# Allegro board nu_2000_main_210405_gerber_el.brd (continued)
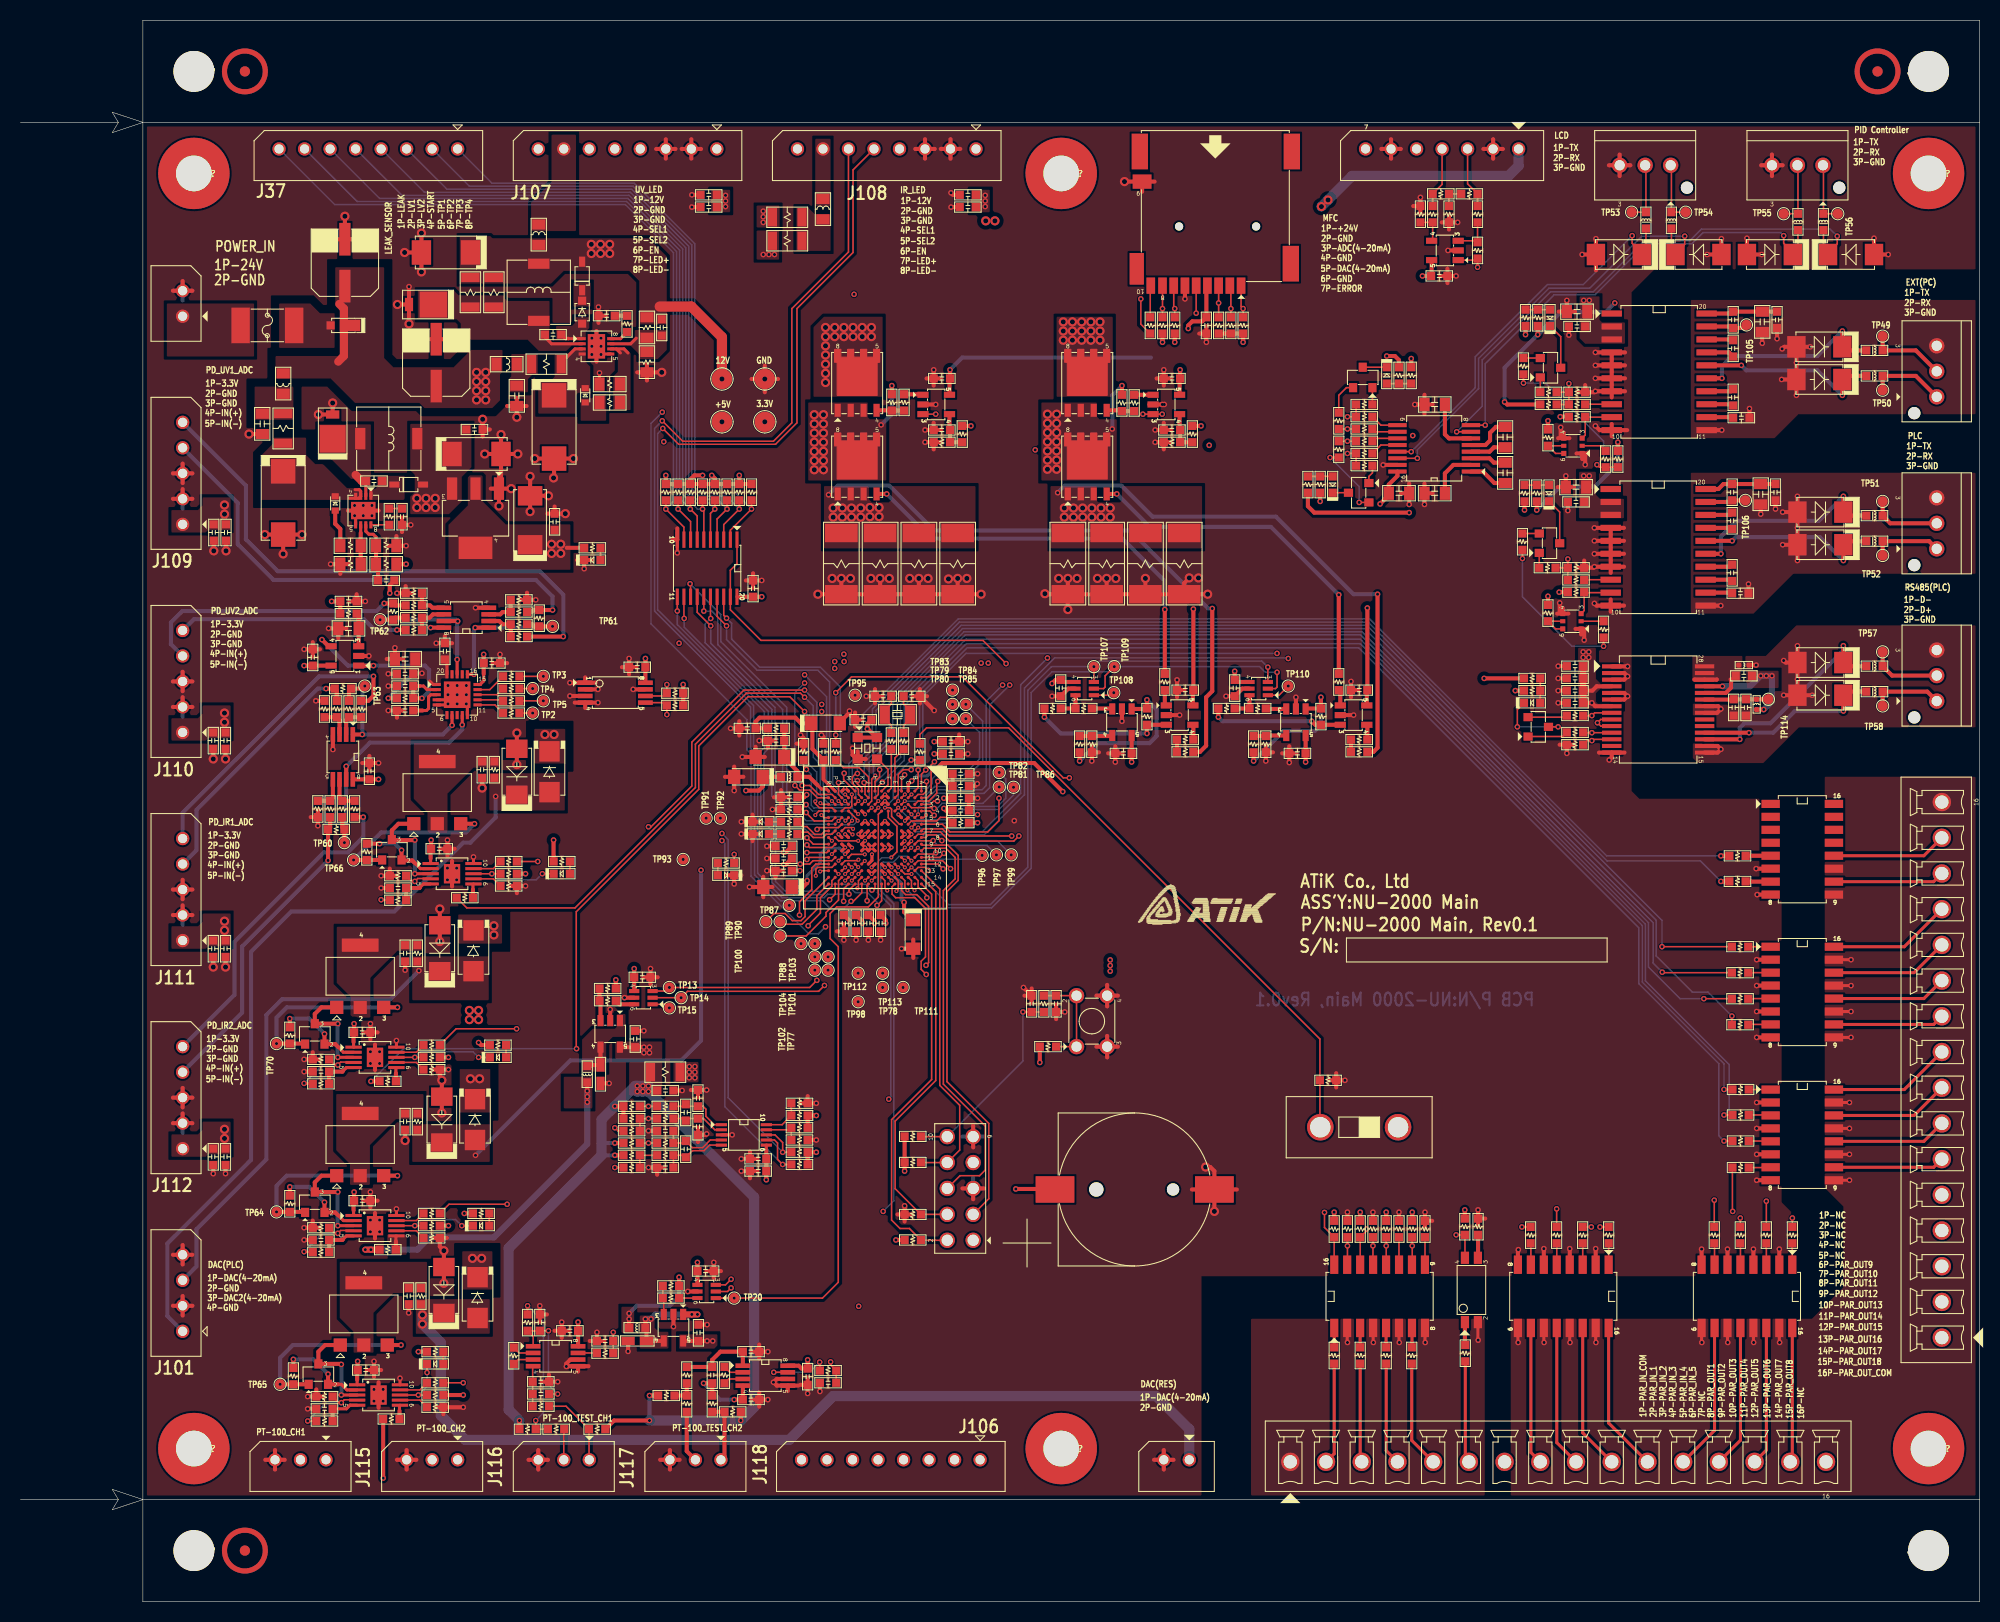
[diagram p0: board, top side]
## Routing (per net, layer and track width the routed paths; a pad name or vN(x,y) marks a point on that pad's centre or on a via; arc(x,y) is an arc through that point) (continued)
  TOP w0.4: C15.1 v1(92.85,83.1) ; 144.32,141.45 J119.2 ; J119.2 143.37,142.4 ; J119.2 144.32,143.35 ; J119.2 145.28,142.4 ; C5.2 v1(86.35,64) ; C5.2 87.5,63.1 ; C5.2 87.5,64.9 ; C78.2 37.5,92.4 ; C78.2 35.9,92.4 ; C78.2 v1(36.7,93.5) ; C121.2 v1(36.05,87.35) ; C121.2 37.6,87.35 ; C121.2 36.9,86.65 ; 155.67,140.8 J46.3 ; J46.3 157.78,140.8 ; J46.3 156.72,139.75 ; J46.3 156.72,141.85 ; C126.2 v2(50.4,112.05) ; C126.2 v2(54.2,112.05) ; C126.2 52.3,110.2 v2(52.25,110.15) ; 48.65,69.45 R222.1 ; R222.1 47.95,70.15 ; R222.1 v1(49.5,70.15) ; 59.65,90.9 C28.1 ; C28.1 v1(59.65,92.45) ; C28.1 60.35,91.6 ; C28.1 58.95,91.6 ; v1(154.35,115.25) 154.76,114.83 U74.10 ; U64.2 v1(130.65,86.9) ; C132.1 107.3,83.85 ; C132.1 106.6,83.15 ; C132.1 v1(107.3,82.3) ; C132.1 108,83.15 ; U47.6 v1(170.15,43.84) ; v2(46.9,107.4) U6.1 ; U6.1 46.1,109.1 ; U6.1 47.1,109.3 C42.2 ; U6.1 46.9,110.5 ; U6.1 v2(48.1,109.1) ; 69.05,80.85 C8.2 ; C8.2 69.95,81.85 ; C8.2 v1(69.95,79.5) ; C8.2 70.85,80.85 ; J112.2 16.85,46.9 ; J112.2 15.9,47.85 ; J112.2 14.95,46.9 ; C66.1 137.6,109.6 ; C66.1 138.4,108.65 ; C66.1 v1(137.6,107.55) ; C137.1 112.75,119.9 ; C137.1 111.35,119.9 ; C137.1 v1(112.05,120.75) ; C137.1 112.05,119.2 ; 155.95,119.31 155.95,119.92 ; 155.95,119.92 v1(154.35,119.92) ; 155.95,119.92 155.95,120.52 ; 155.95,119.92 157.25,119.92 ; J111.3 16.85,69.8 ; J111.3 15.9,68.85 ; J111.3 14.95,69.8 ; J111.3 15.9,70.75 ; 14.95,29 J101.2 ; J101.2 16.85,29 ; J101.2 15.9,29.95 ; J101.2 15.9,28.05 ; J109.3 16.85,110.6 ; J109.3 14.95,110.6 ; J109.3 15.9,111.55 ; J109.3 15.9,109.65 ; C145.1 v1(78.35,20.6) ; R152.1 v1(43.4,19.05) ; R152.1 41.45,18.35 ; R152.1 40.75,19.05 ; 151.84,33.02 v1(151.84,34.6) ; C109.1 v1(34.3,56.65) ; C109.1 34.3,55.1 ; C109.1 35,55.8 ; C109.1 33.6,55.8 ; C27.1 116.22,125 ; C27.1 v1(116.22,123.45) ; C27.1 115.52,124.3 ; 55.8,25.55 C143.1 ; C143.1 v1(56.5,26.4) ; C143.1 57.2,25.55 ; 54.32,88.12 U3.4 ; U3.4 v1(56.6,88.12) ; U3.4 55.35,87.6 ; 135.3,108.65 C63.2 ; C63.2 v1(136.1,107.55) ; C63.2 136.1,109.6 ; R328.1 114.05,99.85 v2(114.55,100.35) ; R328.1 v2(116.35,98.75) ; R328.1 R327.1 ; 53.05,25.85 C142.1 ; C142.1 52.35,26.55 ; C142.1 53.75,26.55 ; C142.1 v1(53.05,27.4) ; J111.2 16.85,67.3 ; J111.2 14.95,67.3 ; J111.2 15.9,68.25 ; 137.2,136.1 R383.2 ; R383.2 136.5,136.8 ; R383.2 v1(137.2,137.65) ; R302.1 105,83.95 ; R302.1 105.7,83.25 ; R302.1 v1(105,82.4) ; J33.9 111.15,139.2 ; J33.9 109.92,138.2 ; J33.9 v2(108.2,139.2) ; BT1.2 117.01,42.2 116.61,42.6 v2(116.15,42.6) ; BT1.2 114.81,40.4 ; BT1.2 v2(117.01,38.25) ; BT1.2 119.21,40.4 ; 71.75,74.55 D28.2 ; D28.2 72.45,75.25 ; D28.2 v1(70.65,75.25) ; C2.1 99.1,60.1 ; C2.1 98.4,59.4 ; C2.1 99.1,58.7 ; C2.1 v1(98.3,60.2) ; SW1.3 107.55,54.4 ; SW1.3 105.45,54.4 ; SW1.3 106.5,53.35 ; SW1.3 106.5,55.45 ; R326.1 R329.1 ; R326.1 v2(106.45,100.3) ; R326.1 R327.1 ; R329.1 100.45,98.75 v2(100.4,98.8) ; R329.1 v2(102.65,97.25) ; R329.1 v2(102.65,100.3) ; J47.3 171.65,141.85 ; J47.3 172.7,140.8 ; J47.3 170.6,140.8 ; J47.3 171.65,139.75 ; v2(41.1,64.7) D80.1 v2(41.1,67.9) ; C183.1 63.1,42.55 ; C183.1 62.4,41.85 ; C183.1 v1(61.55,42.55) ; 36.9,13.9 J116.3 ; J116.3 37.85,14.85 ; J116.3 37.85,12.95 ; J116.3 38.8,13.9 ; 89.5,112.95 R315.1 ; R315.1 v1(88.65,113.65) ; R315.1 90.2,113.65 ; C130.2 v2(39.3,134.15) ; C130.2 v2(37.65,132.25) ; C130.2 v2(39.3,130.35) ; 169.84,33.02 v1(169.84,34.55) ; 73.25,83.7 C24.1 ; C24.1 v1(72.4,84.4) ; C24.1 73.95,84.4 ; C174.1 v1(91.2,136.7) ; C185.1 v1(150.7,91.7) ; U80.1 153.5,95.35 ; U80.1 152.4,95.35 ; U80.1 152.95,94.8 ; 91.3,84.3 C16.1 ; C16.1 92,85 ; C16.1 v1(92.85,84.3) ; C110.1 v1(27.8,51.95) ; C173.1 v1(65.8,136.7) ; C38.2 v2(23.95,104.6) ; C38.2 v2(25.75,102.7) ; C38.2 v2(27.6,104.6) ; 63.25,141.45 J107.3 ; J107.3 62.3,142.4 ; J107.3 64.2,142.4 ; J107.3 63.25,143.35 ; R280.2 37.75,99.55 ; R280.2 v1(36.9,98.85) ; R280.2 38.45,98.85 ; U47.2 v1(170.15,48.92) ; R396.1 154.25,118.55 v1(154.35,118.64) U74.7 ; R396.1 152.65,118.55 ; R396.1 153.35,119.25 ; 31.35,100.75 R31.2 ; R31.2 v1(30.4,101.7) ; R31.2 32.15,101.7 ; 75.2,20.65 U67.5 ; U67.5 76.23,21.18 ; U67.5 74.12,21.18 v1(73.8,21.5) 74.12,21.82 75.2,21.82 ; 137.6,116.4 C65.1 ; C65.1 v1(136.65,117.35) ; C65.1 137.6,118.3 ; C65.1 138.4,117.35 ; 33.6,39.3 C97.1 ; C97.1 34.3,38.6 ; C97.1 35,39.3 ; C97.1 v1(34.3,40.15) ; C108.1 v2(45.25,79.75) ; R30.2 v1(37.8,103.5) ; R30.2 36.05,103.5 ; R30.2 36.85,104.45 ; 14.95,90.2 J110.3 ; J110.3 16.85,90.2 ; J110.3 15.9,91.15 ; J110.3 15.9,89.25 ; 155.85,97.64 154.47,97.64 v1(154.25,97.85) ; 155.85,97.64 155.85,98.24 ; 155.85,97.64 155.85,97.03 ; 155.85,97.64 157.15,97.64 ; 88.8,119.9 C136.1 ; C136.1 v1(89.5,120.75) ; C136.1 89.5,119.2 ; C136.1 90.2,119.9 ; C131.1 v1(56.65,126.9) ; C131.1 57.35,126.05 ; C131.1 56.65,125.35 ; R165.1 v1(78,48.85) ; R165.1 76.45,48.85 ; R165.1 77.15,49.55 ; 155.85,102.11 155.85,102.72 ; 155.85,102.72 v1(154.25,102.72) ; 155.85,102.72 157.15,102.72 ; 155.85,102.72 155.85,103.32 ; C117.1 81.25,87 81.25,87.15 ; C117.1 81.8,87.15 ; C117.1 82.5,86.45 ; C117.1 81.8,85.75 ; C42.2 v2(45.5,112.5) ; C42.2 v2(47.1,114.4) ; C42.2 v2(48.75,112.5) ; R403.1 152.25,84 ; R403.1 150.85,84 ; R403.1 v1(151.55,83.15) ; C26.1 70.45,86.3 ; C26.1 71.15,85.6 ; C26.1 v1(69.6,85.6) ; C26.1 70.45,84.9 ; C3.1 101.5,58.5 ; C3.1 101.5,57.1 ; C3.1 v1(102.35,57.8) ; 67.95,31.7 C48.1 ; C48.1 67.25,32.4 ; C48.1 68.65,32.4 ; C48.1 v1(67.95,33.25) ; U78.2 v1(139.9,132.45) ; C167.2 v1(151.65,106.95) ; 172.38,33.02 v1(172.38,34.55) ; C19.1 v1(73.15,74.05) ; 71.5,41.5 C103.1 ; C103.1 72.2,42.2 ; C103.1 v1(70.65,42.2) ; 45.3,114.2 C33.1 ; C33.1 46,114.9 ; C33.1 v2(45.3,115.9) ; 63.65,12.95 J118.3 ; J118.3 62.7,13.9 ; J118.3 63.65,14.85 ; J118.3 64.6,13.9 ; C147.1 v2(20.15,103) ; 71.1,100.1 C44.1 ; C44.1 v1(72.65,100.1) ; C44.1 71.8,100.8 ; C44.1 71.8,99.4 ; C10.1 75.25,78.85 ; C10.1 73.85,78.85 ; C10.1 74.55,79.55 ; C10.1 R9.1 v1(73.7,77.65) ; C128.1 49.6,117.2 ; C128.1 47.7,117.2 ; C128.1 48.65,118 ; C128.1 v2(48.65,116.1) ; U81.1 v1(157.5,91.67) ; 65.7,50.15 C179.1 ; C179.1 66.4,49.45 ; C179.1 v1(67.25,50.15) ; C187.1 v1(150.7,89.3) ; 155.95,121.85 U74.4 ; U74.4 157.25,122.45 ; U74.4 v1(154.35,122.45) ; 14.95,49.4 J112.3 ; J112.3 15.9,50.35 ; J112.3 16.85,49.4 ; J112.3 15.9,48.45 ; C18.1 v1(73.15,72.85) ; U22.4 v1(44.6,97.42) ; R150.1 29.7,20.1 ; R150.1 29,20.8 ; R150.1 v1(28.15,20.1) ; R25.1 87.35,37.95 ; R25.1 85.95,37.95 ; R25.1 v1(86.65,38.8) ; R25.1 86.65,37.25 ; C4.2 84.45,88.75 ; C4.2 v1(82.9,88.75) ; C4.2 83.75,89.45 ; C4.2 83.75,88.05 ; R296.2 v2(62.85,120.5) ; R296.2 61.4,119.7 ; R296.2 60.45,120.5 ; R296.2 61.4,121.3 ; C104.1 v1(41.85,74.65) ; C104.1 41.85,73.1 ; C104.1 41.15,73.8 ; C104.1 42.55,73.8 ; R388.2 v1(140.85,135.2) ; R388.2 140,135.9 ; R388.2 139.3,135.2 ; R388.2 140,134.5 ; C37.1 v2(53.4,106.65) ; C37.1 52.35,107.35 ; C37.1 51.65,106.65 ; 71.65,119.85 v2(72.95,119.85) ; v2(72.95,119.85) 74.25,119.85 ; v2(72.95,119.85) 72.95,121.15 ; v2(72.95,119.85) 72.95,118.55 ; 72.4,19.1 C160.1 ; C160.1 71.7,19.8 ; C160.1 v1(73.25,19.8) ; C160.1 72.4,20.5 ; J109.2 16.85,108.1 ; J109.2 14.95,108.1 ; J109.2 15.9,109.05 ; R310.1 v2(84.25,100.3) ; R310.1 R309.1 ; R310.1 R376.1 ; C186.1 v1(150.7,90.5) ; R394.1 154.16,101.35 v1(154.25,101.44) U75.7 ; R394.1 152.55,101.35 ; R394.1 153.25,102.05 ; R376.1 v2(88.05,100.3) ; R376.1 R377.1 ; v2(29.2,116.37) D33.1 v2(30.6,117.5) ; J115.3 24.95,14.85 ; J115.3 24,13.9 ; J115.3 24.95,12.95 ; J115.3 25.9,13.9 ; U81.5 157.18,89.08 v1(157.5,88.75) 157.18,88.42 U81.6 ; J120.2 112.05,14.85 ; J120.2 113,13.9 ; J120.2 111.1,13.9 ; J120.2 112.05,12.95 ; v1(93.78,80.17) 93.55,79.95 C9.1 ; J33.6 v1(114.12,127.7) ; C153.1 v1(20.1,41.95) ; C159.1 v1(73.25,24.5) ; C159.1 71.7,24.5 ; C159.1 72.4,23.8 ; C159.1 72.4,25.2 ; R276.2 49.65,98.9 ; R276.2 48.95,98.2 ; R276.2 v1(50.5,98.2) ; C138.2 v1(111.2,114.85) ; C138.2 112.75,114.85 ; C138.2 112.05,115.55 ; 63.92,104.1 U7.10 64.38,105.2 ; 28.65,92.65 C115.2 ; C115.2 29.35,93.35 ; C115.2 28.65,94.05 ; C115.2 v1(27.8,93.35) ; v2(51.75,108.4) C41.2 ; C41.2 v2(49.95,110.3) ; C41.2 v2(49.95,106.85) ; 46.3,92 C119.1 ; C119.1 47.7,92 ; C119.1 v1(47,92.85) ; C177.1 125.05,83.15 ; C177.1 124.35,83.85 ; C177.1 123.65,83.15 ; C177.1 v1(124.35,82.25) ; R319.1 112.75,113.65 ; R319.1 v1(111.2,113.65) ; R319.1 112.05,112.95 ; 155.85,104.65 U75.4 ; U75.4 v1(154.25,105.25) ; U75.4 157.15,105.25 ; 128.25,51.1 R374.2 ; R374.2 128.95,51.8 ; R374.2 v1(129.8,51.1) ; R374.2 128.95,50.4 ; J117.3 51.7,13.9 ; J117.3 50.75,14.85 ; J117.3 50.75,12.95 ; J117.3 49.8,13.9 ; v1(170.65,132.05) D90.1 v1(169.2,133.65) ; C11.2 72.95,82.8 ; C11.2 72.05,83.8 ; C11.2 v1(70.75,82.8) ; R143.1 v1(27.8,36.65) ; R143.1 29.35,36.65 ; R143.1 28.65,37.35 ; U47.4 v1(170.15,46.38) ; 34.65,22 C100.1 ; C100.1 v1(34.65,23.55) ; C100.1 35.35,22.7 ; C100.1 33.95,22.7 ; R230.1 v1(41.95,52.15) ; R230.1 41.1,51.45 ; R230.1 40.4,52.15 ; 32.25,98.05 C75.2 ; C75.2 v1(33.8,98.05) ; C75.2 32.95,98.75 ; Y2.2 82.85,82.6 ; Y2.2 81.95,82.6 81.55,83 v1(81.55,83.65) ; Y2.2 82.05,83.35 ; J110.2 16.85,87.7 ; J110.2 14.95,87.7 ; J110.2 15.9,88.65 ; C102.1 v1(70.65,43.4) ; C102.1 71.5,44.1 ; C102.1 72.2,43.4 ; C150.1 v2(18.9,62.2) ; R177.2 v1(142.85,38.4) ; R177.2 142.85,36.85 ; R177.2 143.55,37.55 ; C188.1 v1(150.7,88.1) ; J107.2 65.75,143.35 ; J107.2 65.75,141.45 ; J107.2 64.8,142.4 ; J107.2 66.7,142.4 ; 32.1,106.95 LS1.9 35.1,106.95 ; U75.5 157.15,103.98 ; U75.5 155.85,104.59 ; U75.5 155.85,103.38 ; U75.5 v1(154.25,103.98) ; D36.1 v1(59.55,24.52) ; C133.1 v1(113.35,90.35) ; C133.1 114.05,89.35 ; C133.1 113.35,88.65 ; C45.1 v1(61.75,62.05) ; C45.1 62.45,61.2 ; C45.1 61.05,61.2 ; C45.1 61.75,60.5 ; 155.95,114.23 U74.10 ; U74.10 157.47,114.83 ; U74.10 155.95,115.44 ; R284.2 v1(28.95,88.3) ; C40.1 v2(22.4,114.45) ; R228.1 v1(27.8,53.15) ; R228.1 28.65,53.85 ; R228.1 29.35,53.15 ; C17.1 74.7,71.65 ; C17.1 v1(73.15,71.65) ; C17.1 74,70.95 ; v2(41.3,51.1) D81.1 v2(41.3,47.9) ; J108.3 88.65,143.35 ; J108.3 88.65,141.45 ; J108.3 89.6,142.4 ; J108.3 87.7,142.4 ; C148.1 v2(18.9,82.6) ; 15.9,33.05 J101.4 ; J101.4 14.95,34 ; J101.4 16.85,34 ; J101.4 15.9,34.95 ; 56.45,124.55 LS2.9 56.45,121.55 ; 42.3,72.6 U50.11 42.3,70.1 ; v1(101.1,88.75) C176.1 102.7,89.5 U76.5 ; C25.2 80.3,86.2 81.25,87.15 ; C23.1 v1(80.7,64.85) ; C23.1 80.7,66.4 ; C23.1 80,65.7 ; C157.1 51.8,22.25 ; C157.1 v1(52.65,21.55) ; C157.1 51.1,21.55 ; U80.4 151.7,96.85 ; U80.4 150.6,96.85 ; U80.4 151.15,97.4 ; D34.1 v1(57.7,50.8) ; U77.5 119.75,89.5 C139.1 v1(118.15,88.75) ; R377.1 v2(91.85,100.3) ; R377.1 v2(94.15,98.75) ; C116.2 v1(35.1,82.2) ; C116.2 33.5,82.2 ; C116.2 34.2,82.9 ; C116.2 34.2,81.5 ; U59.2 v1(113.6,86.9) ; C156.1 v1(50.9,29) ; C156.1 51.6,28.15 ; C156.1 50.9,27.45 ; D60.2 70.65,71.2 ; D60.2 v1(69.95,70.35) ; D60.2 69.25,71.2 ; 81.25,87.15 v1(81.25,87.3) ; C181.1 66.4,46.45 ; C181.1 66.4,45.05 ; C181.1 67.15,45.75 v1(67.25,45.85) ; R322.1 122.75,83.25 ; R322.1 122.05,83.95 ; R322.1 v1(122.05,82.4) ; U49.6 170.1,71.84 v1(170.1,71.85) ; 76.75,83.4 R7.2 ; R7.2 76.05,84.1 ; R7.2 76.75,84.65 v1(76.45,84.95) ; C20.1 v1(83.1,64.85) ; 76.45,21.25 C144.1 ; C144.1 v1(77.15,20.4) ; C144.1 77.15,21.95 ; U74.7 157.25,118.64 ; U74.7 155.95,119.25 ; U74.7 155.95,118.04 ; 72.8,69.05 C6.2 ; C6.2 v1(71.45,70.05) ; C6.2 72.8,71.05 ; C6.2 73.7,70.05 ; C7.1 78.7,84.75 v1(78.5,84.95) ; R145.1 41.1,34.8 v2(41.5,34.4) D82.1 v2(41.5,31.2) ; R145.1 41.8,35.65 ; R145.1 40.4,35.65 ; C43.1 37.4,106.25 ; C43.1 37.4,104.85 ; C43.1 v1(38.25,105.55) ; SW1.4 106.5,60.45 ; SW1.4 107.55,59.4 ; SW1.4 105.45,59.4 ; SW1.4 106.5,58.35 ; 150.65,109.25 C168.2 ; C168.2 152.25,109.25 ; C168.2 v1(151.45,110.35) ; C172.1 v1(65.8,137.9) ; 154.7,83.22 155.95,83.22 ; 155.95,83.22 155.95,82.75 v1(155.7,82.5) ; 155.95,83.22 157.2,83.22 ; v2(42,123.75) C127.2 v2(39.55,123.75) ; C1.2 88.15,89.45 ; C1.2 88.15,88.05 ; C1.2 88.85,88.75 ; C1.2 v1(89.55,87.35) ; C1.2 87.45,88.75 ; 28.45,76.9 R288.2 ; R288.2 29.15,77.6 ; R288.2 v1(29.15,76.05) ; C178.1 v1(140.7,129.95) ; C178.1 139.85,129.25 ; C178.1 139.85,130.65 ; C178.1 139.15,129.95 ; 150.7,114.05 U79.4 ; U79.4 151.8,114.05 ; U79.4 151.25,114.6 ; v1(93.8,78.75) C12.1 C13.1 ; D27.2 71.75,77.15 ; D27.2 72.45,76.45 ; D27.2 v1(70.65,76.45) ; C101.1 v1(28.15,18.9) ; C46.1 v1(61.1,55.95) ; U48.6 v1(170.15,57.84) ; D88.1 154.4,130.5 ; D88.1 v1(154.4,133.6) ; D88.1 v1(153.05,132.05) ; C135.2 v1(88.65,114.85) ; C135.2 89.5,115.55 ; C135.2 90.2,114.85 ; C22.1 v1(81.9,64.85) ; R90.2 v1(132.55,38.17) ; v1(165.3,132.05) D87.1 v1(166.7,133.6) ; C152.1 v1(18.9,41.95) ; v1(164.75,34.55) 164.75,33.02 ; U81.2 157.18,91.03 v1(157.5,90.7) 157.18,90.38 U81.3 ; U75.7 155.85,100.84 ; U75.7 157.15,101.44 ; U75.7 155.85,102.05 ; C140.1 v1(130.4,90.2) ; C140.1 130.4,88.65 ; C140.1 131.1,89.35 ; 35.1,21.5 U43.11 35.1,19 ; 34.75,52.1 U53.11 34.75,54.6 ; 150.95,114.3 v1(150.95,115.1) ; v2(48.65,82.05) D79.1 v2(48.65,85.15) ; J36.2 16.85,128.5 ; J36.2 14.95,128.5 ; J36.2 15.9,129.45 ; 54.65,22.55 U66.5 ; U66.5 55.68,23.07 ; U66.5 53.67,23.07 53.65,23.05 v1(53.5,23.05) 53.5,23.32 53.9,23.73 54.65,23.73 ; C14.1 v1(93.8,81.15) ; 54.55,102.1 D61.2 ; D61.2 55.95,102.1 ; D61.2 v1(55.25,101.25) ; J108.2 91.15,143.35 ; J108.2 92.1,142.4 ; J108.2 90.2,142.4 ; J108.2 91.15,141.45 ; U3.7 v1(60.05,89.42) ; J119.6 134.32,143.35 ; J119.6 135.28,142.4 ; J119.6 133.37,142.4 ; J119.6 134.32,141.45 ; C77.2 v1(36.05,90.95) ; C76.2 41.6,94.65 ; C76.2 42.3,93.95 ; C76.2 v1(40.75,93.95) ; U47.8 v1(170.15,41.3) ; R220.1 36.2,71.85 ; R220.1 36.9,71.15 ; R220.1 v1(35.35,71.15) ; U12.5 v1(65.4,30.4) ; U79.1 153.6,112.55 ; U79.1 153.05,112 ; U79.1 152.5,112.55 ; U13.2 v1(64,26.95) ; 153.25,95.1 v1(153.25,94.25) ; R309.1 v2(80.45,100.3) ; R309.1 v2(78.15,98.75) ; R92.2 v1(137.65,38.17) ; R92.2 138.35,37.33 ; R92.2 137.65,36.62 ; 55.35,90.08 55.35,90.6 ; 55.35,90.08 v1(53.85,90.08) ; 55.35,90.08 56.38,90.08 ; R327.1 v2(110.25,100.3) ; C154.2 v1(64.85,50.1) ; v1(91.2,138.1) 91.4,137.9 C175.1 ; C182.1 v1(61.55,46.15) ; U55.4 v1(30.62,83.53) ; 34.75,38.1 U4.11 34.75,35.6 ; C105.1 v1(35.35,69.95) ; U63.2 v1(125,88.65) ; U74.5 v1(154.35,121.19) ; U74.5 155.95,121.79 ; U74.5 157.25,121.19 ; U74.5 155.95,120.58 ; R89.2 v1(130.05,38.17) ; 93.37,39.45 J34.5 ; J34.5 92.32,40.5 ; J34.5 94.42,40.5 ; C99.1 v2(37.7,45.2) ; 110.65,117.35 U62.2 v1(111.9,117.35) v1(112.1,117.35) ; C151.1 v2(20.1,62.2) ; v1(181.65,133.65) D89.1 v1(183.05,132.05) ; 154.38,33.02 v1(154.38,34.6) ; v1(38.08,128.9) D68.1 ; D68.1 v2(38.08,125.25) ; D68.1 v2(36.95,127.15) ; 55.35,88.78 v1(53.85,88.78) ; C39.2 v2(33.05,133.55) ; C39.2 v2(31.8,135.8) ; C39.2 v2(30.55,133.55) ; U3.2 v1(56.6,89.42) ; U48.2 v1(170.15,62.92) ; R164.1 v1(78,45.25) ; 93.37,46.63 J34.9 93.37,44.53 ; C120.1 v1(36.05,89.75) ; C47.1 v1(67.3,27.15) ; U58.2 v1(107.95,86.3) ; v1(146.8,34.5) 146.75,34.45 146.75,33.02 ; C68.2 v1(151.75,124.15) ; U48.8 v1(170.15,55.3) ; U48.4 v1(170.15,60.38) ; C118.2 v1(30.2,95.4) ; C118.2 31.15,94.45 ; C118.2 31.95,95.4 ; 149.29,33.02 v1(149.29,34.6) ; C161.2 152.35,126.45 ; C161.2 150.75,126.45 ; C161.2 v1(151.55,127.55) ; C98.1 v1(27.8,35.45) ; U9.5 v1(59.2,59.2) ; U49.8 v1(170.2,69.31) ; C113.1 v1(37.7,61.9) ; C31.1 v1(38.05,28.3) ; U26.2 v1(34.15,92.7) ; C146.1 v2(18.95,103) ; 150.85,97.1 v1(150.85,97.9) ; U61.2 v1(89.7,117.35) ; C149.1 v2(20.1,82.6) ; C21.1 v1(84.3,64.85) ; U19.15 v1(133.55,111.42) ; R91.2 v1(135.1,38.17) ; 167.29,33.02 v1(167.29,34.55) ; U11.2 v1(57.8,58.05) ; 153.35,112.3 v1(153.35,111.45)
  L3-INT1 w0.4: 62.7,13.9 J118.3 ; J118.3 64.6,13.9 ; J118.3 63.65,14.85 ; J118.3 63.65,12.95 ; J36.2 16.85,128.5 ; J36.2 15.9,129.45 ; J36.2 14.95,128.5 ; J36.2 15.9,127.55 ; 14.95,67.3 J111.2 ; J111.2 15.9,66.35 ; J111.2 16.85,67.3 ; J111.2 15.9,68.25 ; J112.2 16.85,46.9 ; J112.2 15.9,47.85 ; J112.2 15.9,45.95 ; J112.2 14.95,46.9 ; J119.2 144.32,143.35 ; J119.2 143.37,142.4 ; J119.2 145.28,142.4 ; J119.2 144.32,141.45 ; 15.9,28.05 J101.2 ; J101.2 14.95,29 ; J101.2 15.9,29.95 ; J101.2 16.85,29 ; J111.3 16.85,69.8 ; J111.3 14.95,69.8 ; J111.3 15.9,68.85 ; J111.3 15.9,70.75 ; J47.3 171.65,141.85 ; J47.3 170.6,140.8 ; J47.3 172.7,140.8 ; J47.3 171.65,139.75 ; J101.4 15.9,34.95 ; J101.4 16.85,34 ; J101.4 15.9,33.05 ; J101.4 14.95,34 ; SW1.3 107.55,54.4 ; SW1.3 106.5,55.45 ; SW1.3 105.45,54.4 ; SW1.3 106.5,53.35 ; J110.2 16.85,87.7 ; J110.2 15.9,86.75 ; J110.2 14.95,87.7 ; J110.2 15.9,88.65 ; 93.37,39.45 J34.5 ; J34.5 93.37,41.55 ; J34.5 92.32,40.5 ; J34.5 94.42,40.5 ; 134.32,141.45 J119.6 ; J119.6 133.37,142.4 ; J119.6 135.28,142.4 ; J119.6 134.32,143.35 ; 37.85,12.95 J116.3 ; J116.3 36.9,13.9 ; J116.3 37.85,14.85 ; J116.3 38.8,13.9 ; 65.75,141.45 J107.2 ; J107.2 66.7,142.4 ; J107.2 64.8,142.4 ; J107.2 65.75,143.35 ; J107.3 63.25,143.35 ; J107.3 62.3,142.4 ; J107.3 63.25,141.45 ; J107.3 64.2,142.4 ; J34.9 94.42,45.58 ; J34.9 93.37,46.63 ; J34.9 92.32,45.58 ; J34.9 93.37,44.53 ; J109.3 15.9,111.55 ; J109.3 15.9,109.65 ; J109.3 14.95,110.6 ; J109.3 16.85,110.6 ; 90.2,142.4 J108.2 ; J108.2 92.1,142.4 ; J108.2 91.15,141.45 ; J108.2 91.15,143.35 ; 15.9,48.45 J112.3 ; J112.3 16.85,49.4 ; J112.3 14.95,49.4 ; J112.3 15.9,50.35 ; 24,13.9 J115.3 ; J115.3 24.95,14.85 ; J115.3 24.95,12.95 ; J115.3 25.9,13.9 ; 111.1,13.9 J120.2 ; J120.2 112.05,12.95 ; J120.2 112.05,14.85 ; J120.2 113,13.9 ; 15.9,107.15 J109.2 ; J109.2 16.85,108.1 ; J109.2 14.95,108.1 ; J109.2 15.9,109.05 ; 156.72,139.75 J46.3 ; J46.3 155.67,140.8 ; J46.3 156.72,141.85 ; J46.3 157.78,140.8 ; J108.3 89.6,142.4 ; J108.3 87.7,142.4 ; J108.3 88.65,143.35 ; J108.3 88.65,141.45 ; 106.5,58.35 SW1.4 ; SW1.4 105.45,59.4 ; SW1.4 106.5,60.45 ; SW1.4 107.55,59.4 ; 15.9,89.25 J110.3 ; J110.3 16.85,90.2 ; J110.3 15.9,91.15 ; J110.3 14.95,90.2 ; J117.3 50.75,14.85 ; J117.3 49.8,13.9 ; J117.3 51.7,13.9 ; J117.3 50.75,12.95
  L4-INT2 w0.4: J101.2 16.85,29 ; J101.2 14.95,29 ; J101.2 15.9,29.95 ; J101.2 15.9,28.05 ; J111.2 16.85,67.3 ; J111.2 15.9,66.35 ; J111.2 14.95,67.3 ; J111.2 15.9,68.25 ; 63.65,12.95 J118.3 ; J118.3 63.65,14.85 ; J118.3 62.7,13.9 ; J118.3 64.6,13.9 ; 37.85,12.95 J116.3 ; J116.3 36.9,13.9 ; J116.3 37.85,14.85 ; J116.3 38.8,13.9 ; J46.3 156.72,141.85 ; J46.3 155.67,140.8 ; J46.3 156.72,139.75 ; J46.3 157.78,140.8 ; J115.3 25.9,13.9 ; J115.3 24.95,12.95 ; J115.3 24,13.9 ; J115.3 24.95,14.85 ; 133.37,142.4 J119.6 ; J119.6 135.28,142.4 ; J119.6 134.32,143.35 ; J119.6 134.32,141.45 ; 49.8,13.9 J117.3 ; J117.3 51.7,13.9 ; J117.3 50.75,14.85 ; J117.3 50.75,12.95 ; J101.4 15.9,34.95 ; J101.4 15.9,33.05 ; J101.4 16.85,34 ; J101.4 14.95,34 ; 15.9,107.15 J109.2 ; J109.2 14.95,108.1 ; J109.2 16.85,108.1 ; J109.2 15.9,109.05 ; J110.2 16.85,87.7 ; J110.2 14.95,87.7 ; J110.2 15.9,86.75 ; J110.2 15.9,88.65 ; 15.9,109.65 J109.3 ; J109.3 16.85,110.6 ; J109.3 15.9,111.55 ; J109.3 14.95,110.6 ; 15.9,68.85 J111.3 ; J111.3 16.85,69.8 ; J111.3 15.9,70.75 ; J111.3 14.95,69.8 ; J34.9 93.37,46.63 ; J34.9 93.37,44.53 ; J34.9 92.32,45.58 ; J34.9 94.42,45.58 ; SW1.4 106.5,60.45 ; SW1.4 106.5,58.35 ; SW1.4 105.45,59.4 ; SW1.4 107.55,59.4 ; J112.2 15.9,47.85 ; J112.2 16.85,46.9 ; J112.2 15.9,45.95 ; J112.2 14.95,46.9 ; J120.2 112.05,14.85 ; J120.2 111.1,13.9 ; J120.2 112.05,12.95 ; J120.2 113,13.9 ; J119.2 145.28,142.4 ; J119.2 143.37,142.4 ; J119.2 144.32,141.45 ; J119.2 144.32,143.35 ; J47.3 171.65,141.85 ; J47.3 171.65,139.75 ; J47.3 172.7,140.8 ; J47.3 170.6,140.8 ; 92.32,40.5 J34.5 ; J34.5 93.37,41.55 ; J34.5 94.42,40.5 ; J34.5 93.37,39.45 ; J36.2 16.85,128.5 ; J36.2 15.9,127.55 ; J36.2 15.9,129.45 ; J36.2 14.95,128.5 ; 106.5,53.35 SW1.3 ; SW1.3 106.5,55.45 ; SW1.3 105.45,54.4 ; SW1.3 107.55,54.4 ; J110.3 16.85,90.2 ; J110.3 15.9,91.15 ; J110.3 14.95,90.2 ; J110.3 15.9,89.25 ; J112.3 16.85,49.4 ; J112.3 15.9,48.45 ; J112.3 15.9,50.35 ; J112.3 14.95,49.4
  L5-GND w0.4: J110.3 15.9,91.15 ; J110.3 14.95,90.2 ; J110.3 15.9,89.25 ; J110.3 16.85,90.2 ; J101.2 15.9,29.95 ; J101.2 15.9,28.05 ; J101.2 16.85,29 ; J101.2 14.95,29 ; 155.67,140.8 J46.3 ; J46.3 157.78,140.8 ; J46.3 156.72,141.85 ; J46.3 156.72,139.75 ; J112.2 15.9,47.85 ; J112.2 14.95,46.9 ; J112.2 16.85,46.9 ; J112.2 15.9,45.95 ; 106.5,53.35 SW1.3 ; SW1.3 107.55,54.4 ; SW1.3 105.45,54.4 ; SW1.3 106.5,55.45 ; J34.9 93.37,46.63 ; J34.9 93.37,44.53 ; J34.9 92.32,45.58 ; J34.9 94.42,45.58 ; J108.2 91.15,143.35 ; J108.2 90.2,142.4 ; J108.2 91.15,141.45 ; J108.2 92.1,142.4 ; 24,13.9 J115.3 ; J115.3 24.95,14.85 ; J115.3 24.95,12.95 ; J115.3 25.9,13.9 ; 14.95,128.5 J36.2 ; J36.2 15.9,129.45 ; J36.2 16.85,128.5 ; J36.2 15.9,127.55 ; J110.2 16.85,87.7 ; J110.2 15.9,86.75 ; J110.2 15.9,88.65 ; J110.2 14.95,87.7 ; 170.6,140.8 J47.3 ; J47.3 171.65,141.85 ; J47.3 171.65,139.75 ; J47.3 172.7,140.8 ; J112.3 15.9,50.35 ; J112.3 14.95,49.4 ; J112.3 15.9,48.45 ; J112.3 16.85,49.4 ; J108.3 89.6,142.4 ; J108.3 88.65,141.45 ; J108.3 87.7,142.4 ; J108.3 88.65,143.35 ; 14.95,108.1 J109.2 ; J109.2 16.85,108.1 ; J109.2 15.9,107.15 ; J109.2 15.9,109.05 ; J111.2 16.85,67.3 ; J111.2 15.9,68.25 ; J111.2 15.9,66.35 ; J111.2 14.95,67.3 ; J34.5 93.37,41.55 ; J34.5 93.37,39.45 ; J34.5 94.42,40.5 ; J34.5 92.32,40.5 ; 64.8,142.4 J107.2 ; J107.2 65.75,141.45 ; J107.2 66.7,142.4 ; J107.2 65.75,143.35 ; J109.3 16.85,110.6 ; J109.3 14.95,110.6 ; J109.3 15.9,111.55 ; J109.3 15.9,109.65 ; 37.85,12.95 J116.3 ; J116.3 36.9,13.9 ; J116.3 37.85,14.85 ; J116.3 38.8,13.9 ; J117.3 50.75,14.85 ; J117.3 49.8,13.9 ; J117.3 50.75,12.95 ; J117.3 51.7,13.9 ; J101.4 15.9,34.95 ; J101.4 15.9,33.05 ; J101.4 16.85,34 ; J101.4 14.95,34 ; 143.37,142.4 J119.2 ; J119.2 144.32,143.35 ; J119.2 145.28,142.4 ; J119.2 144.32,141.45 ; 111.1,13.9 J120.2 ; J120.2 112.05,14.85 ; J120.2 112.05,12.95 ; J120.2 113,13.9 ; SW1.4 106.5,60.45 ; SW1.4 106.5,58.35 ; SW1.4 105.45,59.4 ; SW1.4 107.55,59.4 ; J111.3 16.85,69.8 ; J111.3 15.9,70.75 ; J111.3 14.95,69.8 ; J111.3 15.9,68.85 ; 133.37,142.4 J119.6 ; J119.6 135.28,142.4 ; J119.6 134.32,141.45 ; J119.6 134.32,143.35 ; J118.3 63.65,14.85 ; J118.3 62.7,13.9 ; J118.3 63.65,12.95 ; J118.3 64.6,13.9 ; J107.3 64.2,142.4 ; J107.3 62.3,142.4 ; J107.3 63.25,143.35 ; J107.3 63.25,141.45
  BOTTOM w0.4: 14.95,90.2 J110.3 ; J110.3 15.9,91.15 ; J110.3 16.85,90.2 ; J110.3 15.9,89.25 ; SW1.3 106.5,55.45 ; SW1.3 105.45,54.4 ; SW1.3 107.55,54.4 ; SW1.3 106.5,53.35 ; 133.37,142.4 J119.6 ; J119.6 135.28,142.4 ; J119.6 134.32,141.45 ; J119.6 134.32,143.35 ; 91.15,141.45 J108.2 ; J108.2 92.1,142.4 ; J108.2 90.2,142.4 ; J108.2 91.15,143.35 ; 111.1,13.9 J120.2 ; J120.2 112.05,12.95 ; J120.2 113,13.9 ; J120.2 112.05,14.85 ; J115.3 25.9,13.9 ; J115.3 24,13.9 ; J115.3 24.95,14.85 ; J115.3 24.95,12.95 ; 15.9,45.95 J112.2 ; J112.2 16.85,46.9 ; J112.2 14.95,46.9 ; J112.2 15.9,47.85 ; J34.9 93.37,46.63 ; J34.9 92.32,45.58 ; J34.9 93.37,44.53 ; J34.9 94.42,45.58 ; J46.3 156.72,141.85 ; J46.3 156.72,139.75 ; J46.3 155.67,140.8 ; J46.3 157.78,140.8 ; 170.6,140.8 J47.3 ; J47.3 171.65,139.75 ; J47.3 172.7,140.8 ; J47.3 171.65,141.85 ; 144.32,141.45 J119.2 ; J119.2 143.37,142.4 ; J119.2 145.28,142.4 ; J119.2 144.32,143.35 ; J109.3 15.9,111.55 ; J109.3 15.9,109.65 ; J109.3 16.85,110.6 ; J109.3 14.95,110.6 ; J112.3 16.85,49.4 ; J112.3 15.9,50.35 ; J112.3 15.9,48.45 ; J112.3 14.95,49.4 ; J34.5 94.42,40.5 ; J34.5 93.37,39.45 ; J34.5 92.32,40.5 ; J34.5 93.37,41.55 ; J110.2 16.85,87.7 ; J110.2 15.9,88.65 ; J110.2 14.95,87.7 ; J110.2 15.9,86.75 ; J111.3 16.85,69.8 ; J111.3 14.95,69.8 ; J111.3 15.9,68.85 ; J111.3 15.9,70.75 ; J108.3 88.65,143.35 ; J108.3 88.65,141.45 ; J108.3 89.6,142.4 ; J108.3 87.7,142.4 ; J116.3 37.85,14.85 ; J116.3 38.8,13.9 ; J116.3 37.85,12.95 ; J116.3 36.9,13.9 ; 105.45,59.4 SW1.4 ; SW1.4 106.5,60.45 ; SW1.4 106.5,58.35 ; SW1.4 107.55,59.4 ; J111.2 16.85,67.3 ; J111.2 15.9,66.35 ; J111.2 15.9,68.25 ; J111.2 14.95,67.3 ; 15.9,107.15 J109.2 ; J109.2 14.95,108.1 ; J109.2 16.85,108.1 ; J109.2 15.9,109.05 ; J101.2 15.9,29.95 ; J101.2 16.85,29 ; J101.2 15.9,28.05 ; 50.75,12.95 J117.3 ; J117.3 51.7,13.9 ; J117.3 50.75,14.85 ; J117.3 49.8,13.9 ; J36.2 15.9,129.45 ; J36.2 14.95,128.5 ; J36.2 15.9,127.55 ; J36.2 16.85,128.5 ; 63.65,12.95 J118.3 ; J118.3 63.65,14.85 ; J118.3 62.7,13.9 ; J118.3 64.6,13.9 ; 15.9,33.05 J101.4 15.9,34.95
  vias: v1(32.75,107.45) v1(33.6,107.45) v1(33.6,106.45) v1(34.3,53.9) v1(34.3,52.75) v1(34.3,37.4) v1(34.3,36.25) v1(34.45,107.45) v1(34.45,106.45) v1(34.65,20.8) v1(34.65,19.65) v1(35.2,53.9) v1(35.2,52.75) v1(35.2,37.4) v1(35.2,36.25) v1(35.55,20.8) v1(35.55,19.65) v1(41.9,89.8) v1(41.9,88.9) v1(41.85,71.9) v1(41.85,70.75) v1(42.8,89.8) v1(42.8,88) v1(42.75,71.9) v1(42.75,70.75) v1(43.7,89.8) v1(43.7,88.9) v1(56,123.85) v1(56,123.05) v1(56,122.25) v1(56.9,123.85) v1(56.9,123.05) v1(56.9,122.25) v1(97.4,76.55) v2(79.55,100.3) v2(81.35,100.3) v2(83.35,100.3) v2(85.15,100.3) v2(87.15,100.3) v2(88.95,100.3) v2(90.95,100.25) v2(92.75,100.3) v2(101.75,100.3) v2(103.55,100.3) v2(105.55,100.3) v2(107.35,100.3) v2(115.45,100.35)
